# KiCad board 32X_VA2.kicad_pcb
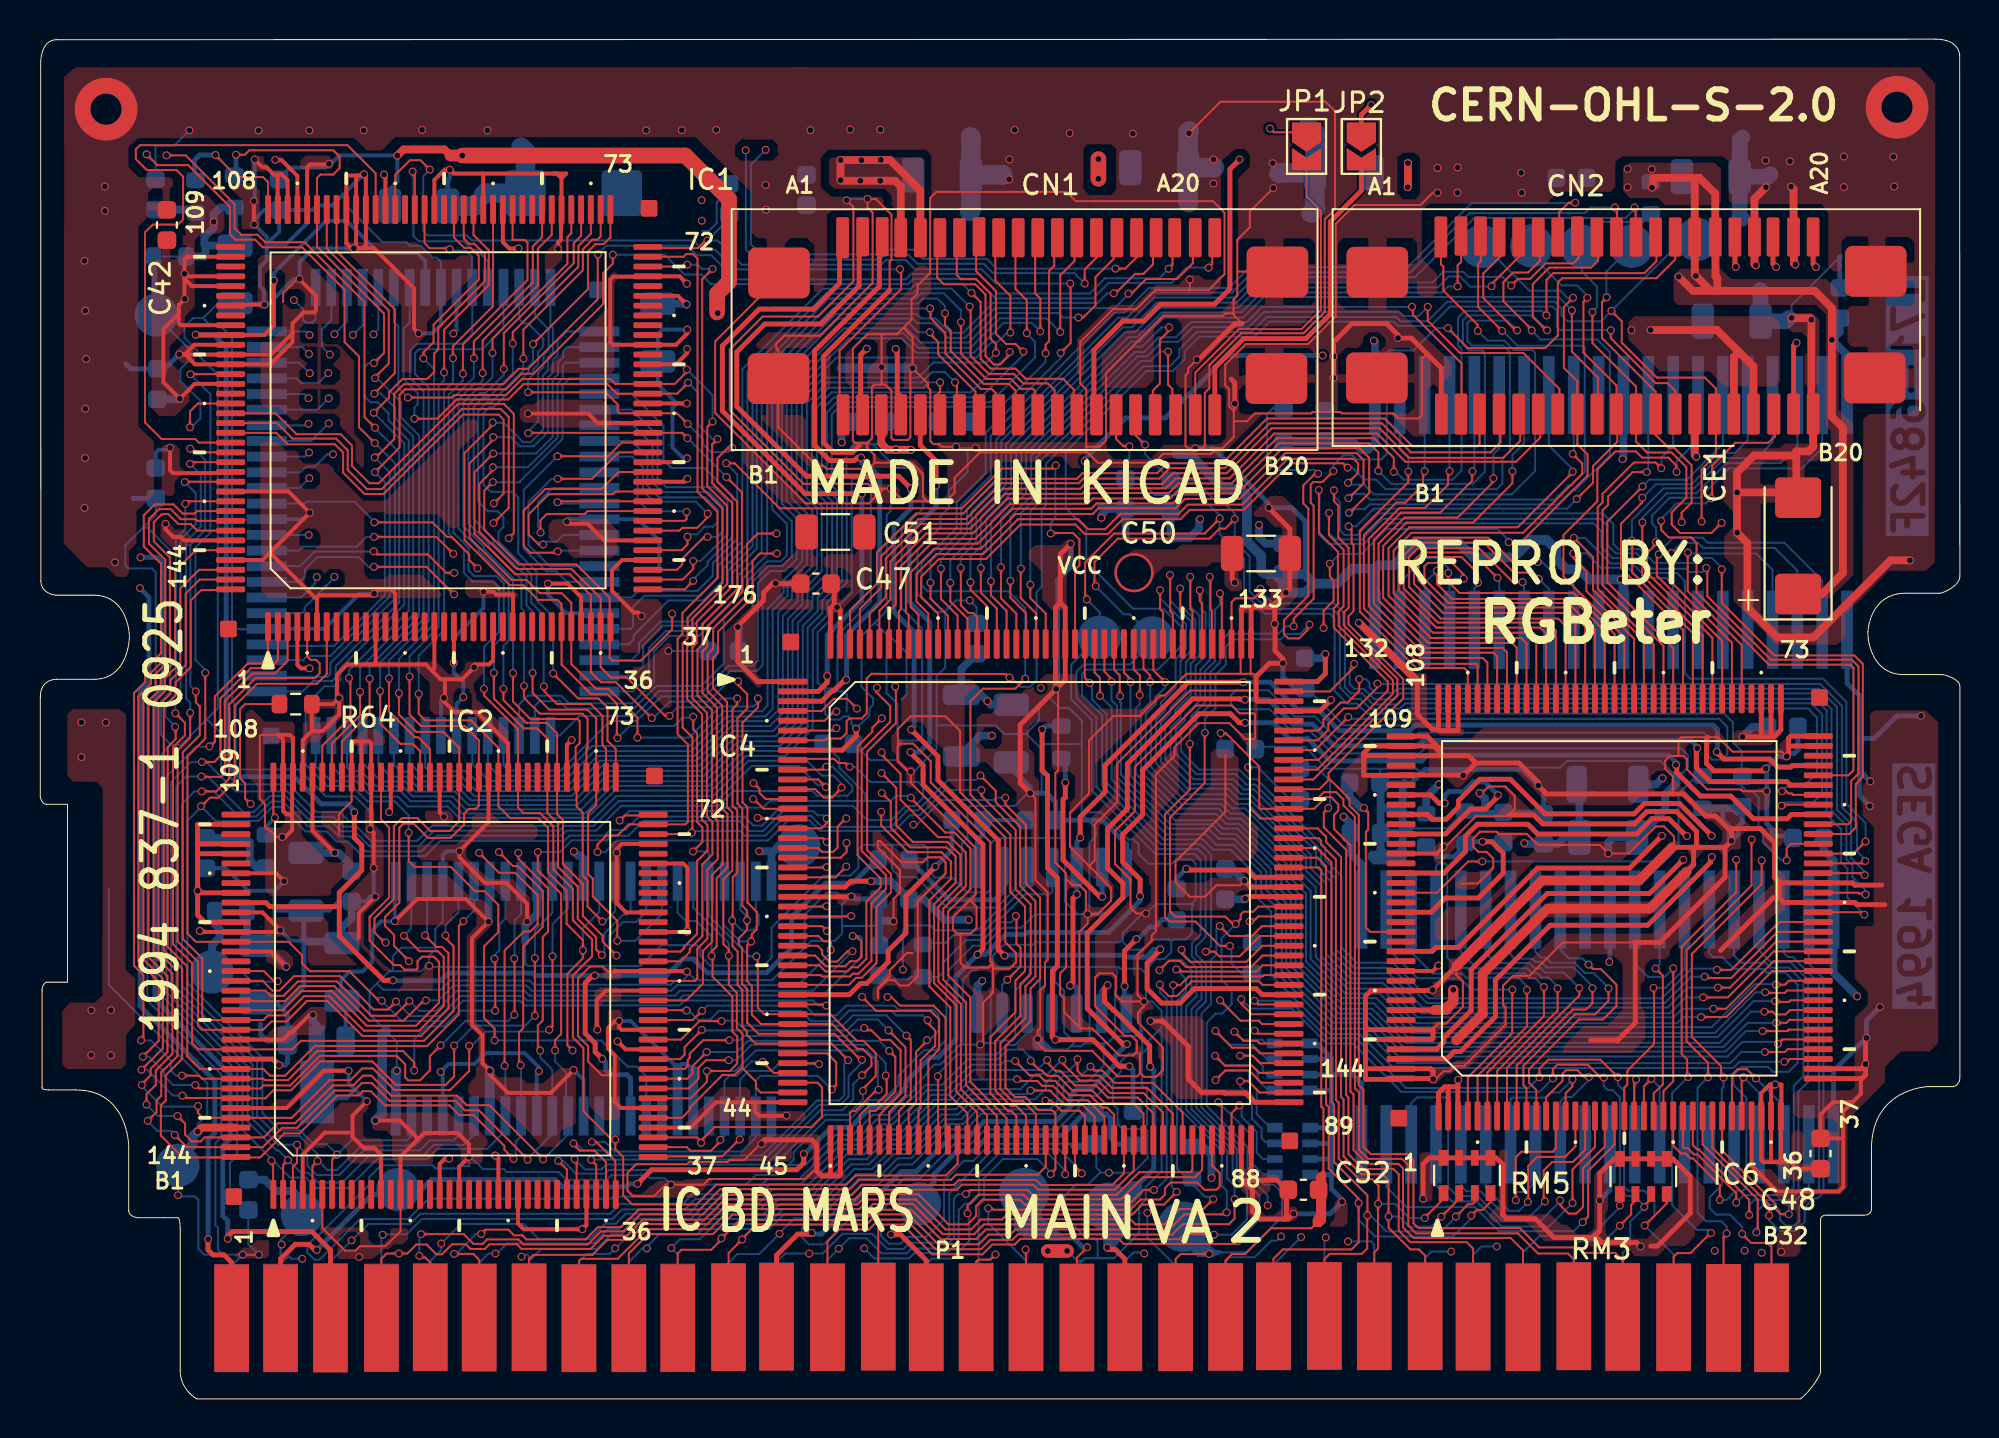
[diagram p0: board, top side]
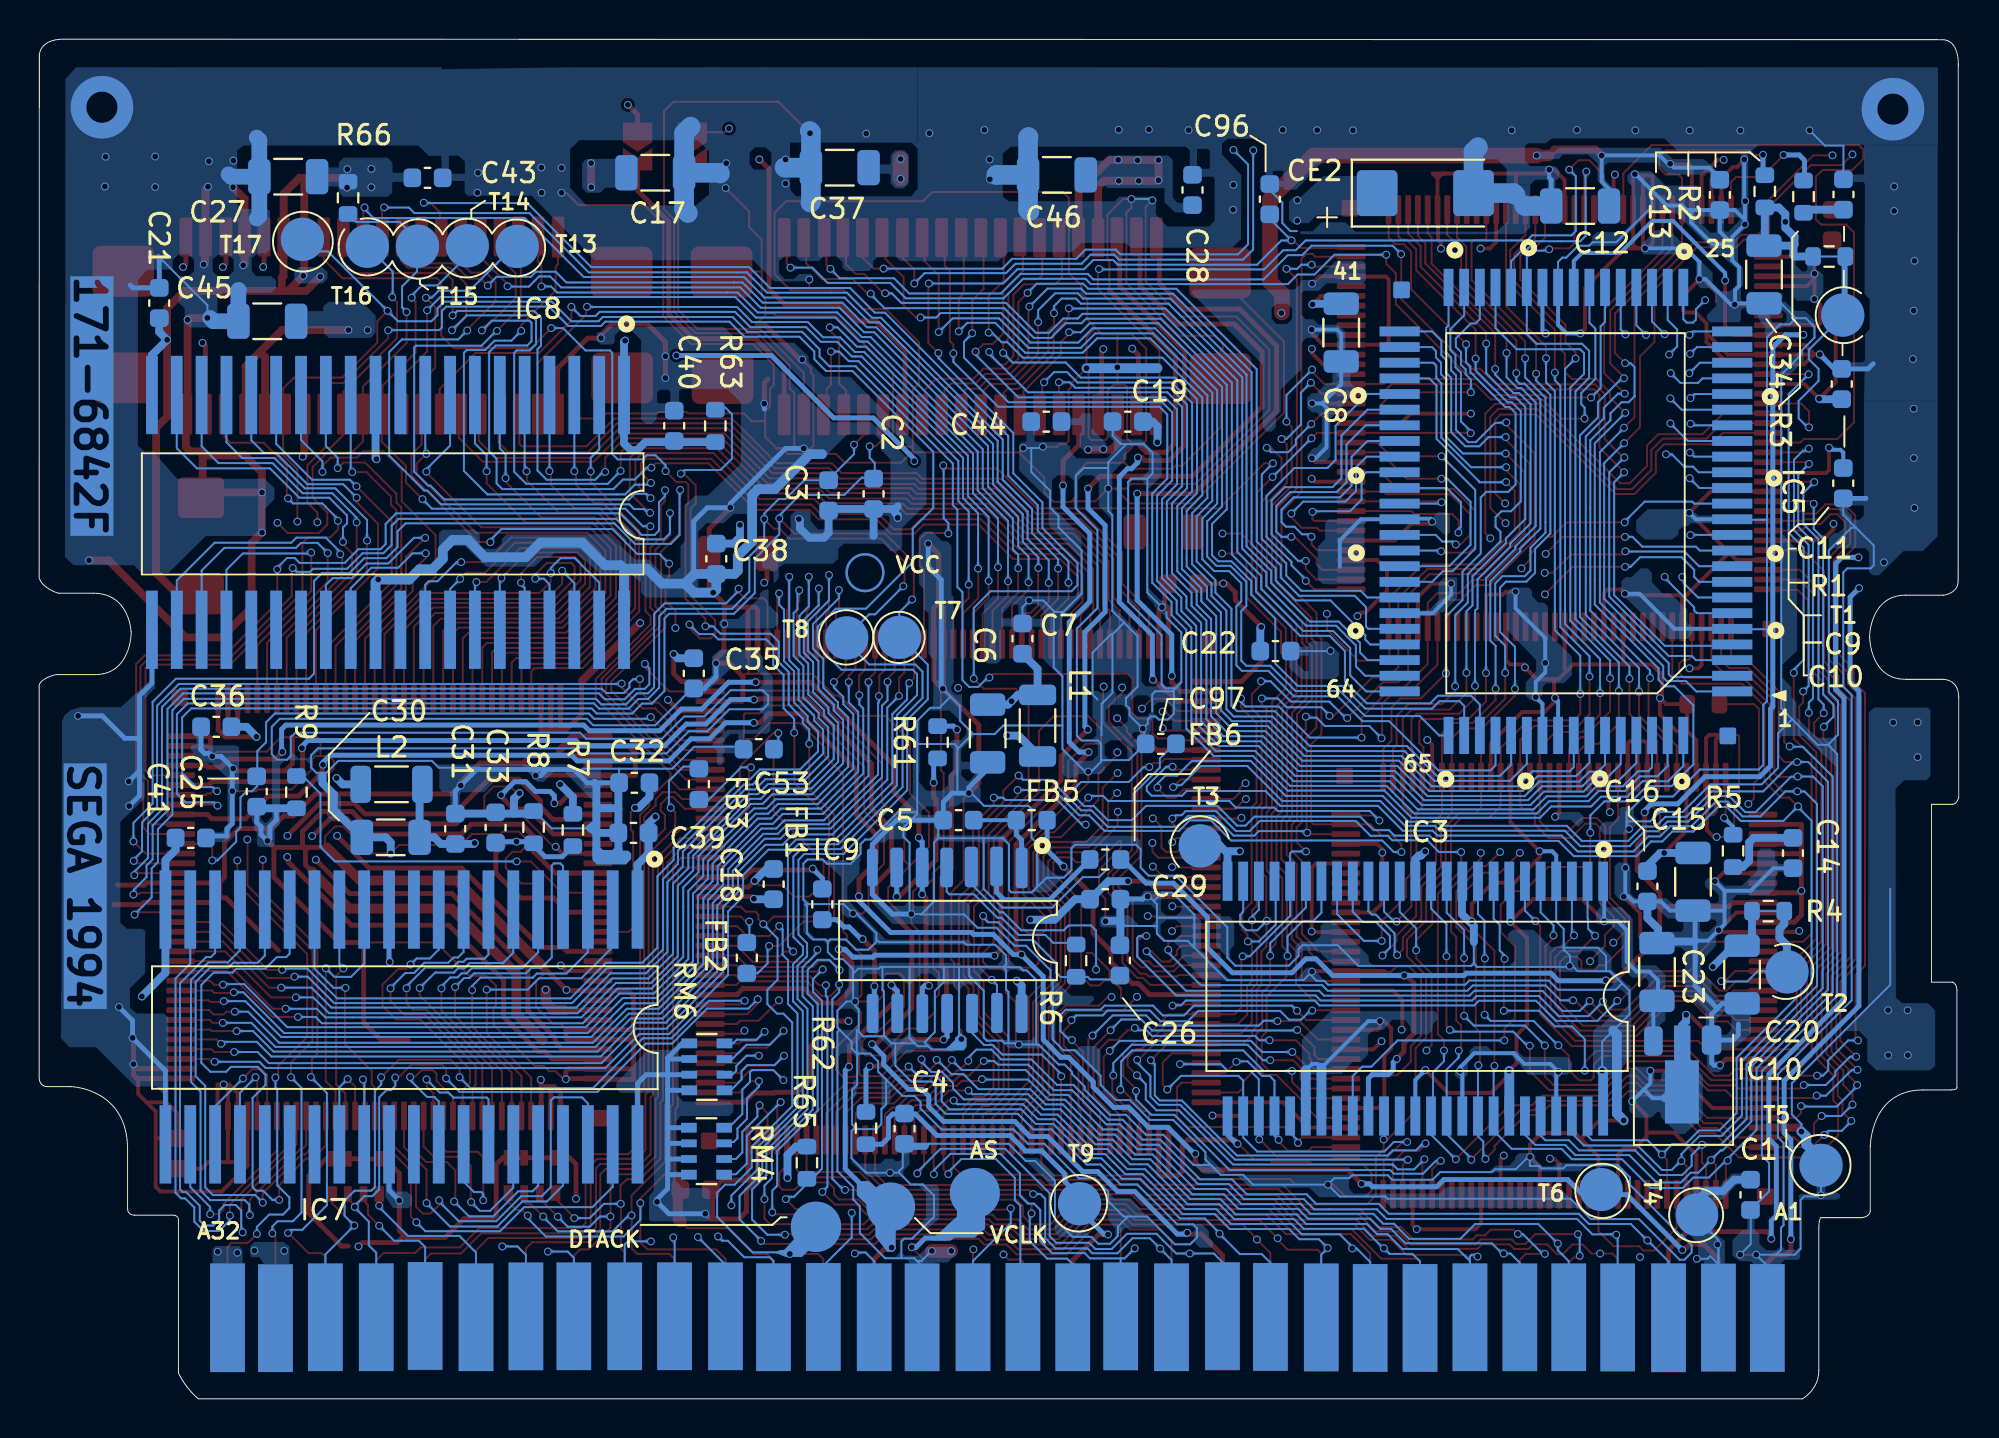
[diagram p1: board, bottom side, seen from below]

Outline 98.17 x 69.5 mm; copper layers: Top, In1.Cu, In2.Cu, Bottom. Coordinates in mm from the lower left corner of the outline.
Outline path: 0.06,30.74 0.06,35.87 ; 0.08,68.14 0.09,41.8 ; 0.15,20.88 0.15,15.9 ; 0.46,15.79 1.88,15.79 ; 0.83,41.08 2.77,41.08 ; 0.9,36.78 2.79,36.78 ; 0.39,30.39 1.45,30.39 1.45,21.3 0.37,21.3 ; 4.58,9.63 4.58,12.88 ; 5.05,9.26 7.09,9.26 ; 7.21,8.69 7.21,1.44 ; 8.05,0 90.03,0 ; 91.05,1.33 91.05,9.15 ; 91.32,9.39 93.29,9.39 ; 93.65,9.68 93.65,12.72 ; 95.31,37.02 97.26,37.02 ; 96.9,69.5 0.9,69.47 ; 97.13,41.18 95.41,41.18 ; 97.78,15.96 96.55,15.96 ; 98.17,42.05 98.16,68.69 ; 98.17,16.45 98.17,36.43
Stack: Top 0.035mm / dielectric 0.1mm FR4 er 4.5 / In1.Cu 0.035mm / dielectric 1.24mm FR4 er 4.5 / In2.Cu 0.035mm / dielectric 0.1mm FR4 er 4.5 / Bottom 0.035mm

## Placement (name value [footprint] x y rotation side)
C1  0.1uF  [C_0603_1608Metric]  10.7 10.43 270 bottom
C2  68pF  [C_0603_1608Metric]  55.52 46.26 270 bottom
C3  68pF  [C_0603_1608Metric]  57.82 46.18 270 bottom  (not fitted)
C4  68pF  [C_0603_1608Metric]  53.94 13.81 270 bottom  (not fitted)
C5  47pF  [C_0603_1608Metric]  51.18 29.58 0 bottom  (not fitted)
C6  4.7uF  [C_1206_3216Metric]  49.69 34.01 270 bottom
C7  100nF  [C_0603_1608Metric]  47.91 38.86 90 bottom
C8  4.7uF  [C_1206_3216Metric]  31.62 54.5 270 bottom
C9  100nF  [C_0603_1608Metric]  6.04 51.87 90 bottom
C10  100nF  [C_0603_1608Metric]  5.96 46.8 270 bottom
C11  470pF  [C_0603_1608Metric]  5.95 61.56 90 bottom
C12  4.7uF  [C_1206_3216Metric]  19.41 60.97 0 bottom
C13  100nF  [C_0603_1608Metric]  12.27 61.54 270 bottom
C14  470pF  [C_0603_1608Metric]  8.53 27.9 270 bottom
C15  4.7uF  [C_1206_3216Metric]  13.64 26.43 270 bottom
C16  100nF  [C_0603_1608Metric]  15.97 26.2 270 bottom
C17  4.7uF  [C_1206_3216Metric]  66.68 62.67 180 bottom
C18  100nF  [C_0603_1608Metric]  60.63 26.31 90 bottom
C19  100nF  [C_0603_1608Metric]  42.53 49.95 0 bottom
C20  4.7uF  [C_1206_3216Metric]  11.13 21.69 270 bottom
C21  100nF  [C_0603_1608Metric]  92.03 56.01 90 bottom
C22  100nF  [C_0603_1608Metric]  34.98 38.22 180 bottom
C23  4.7uF  [C_1206_3216Metric]  15.48 21.82 90 bottom
C25  68pF  [C_0603_1608Metric]  87.05 31.05 270 bottom
C26  100pF  [C_0603_1608Metric]  42.93 22.41 90 bottom
C27  4.7uF  [C_1206_3216Metric]  85.44 62.47 0 bottom
C28  100nF  [C_0603_1608Metric]  39.22 61.79 90 bottom
C29  0.1uF  [C_0603_1608Metric]  43.68 25.54 180 bottom
C30  4.7uF  [C_1206_3216Metric]  80.2 28.7 0 bottom
C31  100nF  [C_0603_1608Metric]  76.9 29.14 90 bottom
C32  100nF  [C_0603_1608Metric]  67.75 31.49 0 bottom
C33  100nF  [C_0603_1608Metric]  74.84 29.2 90 bottom
C34  4.7uF  [C_1206_3216Metric]  10.01 57.47 270 bottom
C35  100nF  [C_0603_1608Metric]  64.71 37.08 270 bottom
C36  100nF  [C_0603_1608Metric]  89.12 34.35 0 bottom
C37  4.7uF  [C_1206_3216Metric]  57.25 62.93 0 bottom
C38  100nF  [C_0603_1608Metric]  63.56 42.94 270 bottom
C39  100nF  [C_0603_1608Metric]  67.79 28.93 0 bottom
C40  100nF  [C_0603_1608Metric]  65.71 49.73 90 bottom
C41  100nF  [C_0603_1608Metric]  90.42 28.67 180 bottom
C42  100nF  [C_0603_1608Metric]  6.53 60 90 top
C43  100nF  [C_0603_1608Metric]  78.32 62.41 180 bottom
C44  0.1uF  [C_0603_1608Metric]  46.69 49.95 0 bottom
C45  4.7uF  [C_1206_3216Metric]  86.51 55.08 0 bottom
C46  4.7uF  [C_1206_3216Metric]  46.15 62.56 0 bottom
C47  100nF  [C_0603_1608Metric]  39.7 41.67 0 top
C48  100nF  [C_0603_1608Metric]  91.05 12.54 90 top
C50  4.7uF  [C_1206_3216Metric]  62.45 43.21 0 top
C51  4.7uF  [C_1206_3216Metric]  40.7 44.31 0 top
C52  68pF  [C_0603_1608Metric]  64.62 10.69 180 top  (not fitted)
C53  100pF  [C_0603_1608Metric]  61.39 33.21 0 bottom
C96  100pF  [C_0603_1608Metric]  35.27 61.32 90 bottom
C97  100pF  [C_0603_1608Metric]  40.84 33.48 0 bottom
CE1  47uF  [CP_EIA-6032-28_Kemet-C]  89.9 43.6 90 top
CE2  47uF  [CP_EIA-6032-28_Kemet-C]  27.32 61.63 180 bottom
CN1  ~  [32XCN]  50.59 55.3 0 top
CN2  ~  [32XCN]  81.17 55.34 0 top
FB1  120 Ohm  [L_0603_1608Metric]  58.14 25.28 90 bottom
FB2  0  [L_0603_1608Metric]  62 22.54 90 bottom
FB3  240 Ohm  [L_0603_1608Metric]  64.45 31.42 270 bottom
FB5  0  [L_0603_1608Metric]  47.44 29.58 0 bottom
FB6  120 Ohm  [L_0603_1608Metric]  43.68 27.57 180 bottom
IC1  SH2 M  [LQFP-144_20x20mm_P0.5mm]  20.45 50.13 90 top
IC2  SH2 S  [LQFP-144_20x20mm_P0.5mm]  20.72 21.12 90 top
IC3  µPD4502161  [SSOP-50]  27.83 20.46 0 bottom
IC4  315-5818  [LQFP-176_24x24mm_P0.5mm]  51.2 25.91 0 top
IC5  315-5805  [PQFP-80_14x20mm_P0.8mm]  20.14 45.36 0 bottom
IC6  315-5781  [LQFP-144_20x20mm_P0.5mm]  80.27 25.12 90 top
IC7  TC511664  [SO-Mix-40]  79.65 19.01 0 bottom
IC8  TC511664  [SO-Mix-40]  80.34 45.31 0 bottom
IC9  74AC04  [SO-14_Dual_Purpose_P1.27mm]  51.97 23.13 0 bottom
IC10  RHSRL33A  [SOT-89-3_Handsoldering]  14.29 15.64 180 bottom
JP1  AS  [SolderJumper-2_P1.3mm_Open_TrianglePad1.0x1.5mm]  64.78 64.02 270 top
JP2  VCLK  [SolderJumper-2_P1.3mm_Open_TrianglePad1.0x1.5mm]  67.58 64.02 270 top
L1  100u  [L_1206_3216Metric]  47.14 34.41 90 bottom
L2  100u  [L_1206_3216Metric]  80.16 31.41 180 bottom
P1  Expansion  [Edge-60P]  47.94 3.57 180 top
R1  10k  [R_0603_1608Metric]  6.68 58.39 180 bottom  (not fitted)
R2  10K  [R_0603_1608Metric]  9.97 61.72 270 bottom
R3  3K  [R_0603_1608Metric]  7.99 61.45 270 bottom
R4  10k  [R_0603_1608Metric]  9.8 24.93 180 bottom  (not fitted)
R5  3K  [R_0603_1608Metric]  11.59 28.01 270 bottom
R6  180  [R_0603_1608Metric]  45.17 22.4 270 bottom
R7  13K  [R_0603_1608Metric]  70.89 29.08 90 bottom
R8  2.7K  [R_0603_1608Metric]  72.9 29.22 270 bottom
R9  1.6K  [R_0603_1608Metric]  85.02 31.01 90 bottom
R61  8.2K  [R_0603_1608Metric]  52.25 33.56 270 bottom
R62  2K  [R_0603_1608Metric]  55.91 13.84 90 bottom
R63  10k  [R_0603_1608Metric]  63.61 49.73 270 bottom  (not fitted)
R64  10k  [R_0603_1608Metric]  13.11 35.51 180 top  (not fitted)
R65  10k  [R_0603_1608Metric]  58.93 12.07 270 bottom  (not fitted)
R66  4.7K  [R_0603_1608Metric]  82.38 61.39 90 bottom
RM3  4x10K  [R_Array_Convex_4x0603]  81.99 11.37 90 top
RM4  4x10K  [R_Array_Convex_4x0603]  64.06 12.66 0 bottom
RM5  4x10K  [R_Array_Convex_4x0603]  72.98 11.42 90 top
RM6  4x10K  [R_Array_Convex_4x0603]  64.04 16.97 0 bottom

## Library data of the parts
C1 C6 C8 C12 C15 C17 C20 C23 C27 C29 C30 C34 C37 C44-C46 C50 C51 = -: LCSC Part #: C132170; MPN: VJ1206V475MXJTW1BC; ki_fp_filters: C_*
C2-C5 C26 C52 C53 = -: LCSC Part #: C62768; MPN: VJ0805A101FXJPW1BC; ki_fp_filters: C_*
C7 C9 C10 C13 C16 C18 C19 C21 C22 C28 C31-C33 C35 C36 C38-C43 C47 C48 C96 C97 = -: LCSC Part #: C111492; MPN: VJ0805Y104JXJMT; ki_fp_filters: C_*
C11 C14 = -: LCSC Part #: C62771; MPN: VJ0805A471FXJPW1BC; ki_fp_filters: C_*
C25 = -: LCSC Part #: C162306; MPN: GRM21A5C2J680JWA1D; ki_fp_filters: C_*
CE1 CE2 = -: ki_fp_filters: CP_*
FB1 FB6 = -: LCSC Part #: C41330; MPN: CBG201209U121T; ki_fp_filters: Inductor_* L_* *Ferrite*
FB2 FB5 = -: LCSC Part #: C91037; MPN: CBG201209U000T; ki_fp_filters: Inductor_* L_* *Ferrite*
FB3 = -: LCSC Part #: C124102; MPN: CBG201209U221T; ki_fp_filters: Inductor_* L_* *Ferrite*
IC9 = -: Datasheet: http://www.ti.com/lit/gpn/sn74LS04; LCSC Part #: C352940; MPN: SN74AC04DR; ki_fp_filters: DIP*W7.62mm* SSOP?14* TSSOP?14*
IC10 = -: Datasheet: http://www.st.com/content/ccc/resource/technical/document/datasheet/41/4f/b3/b0/12/d4/47/88/CD00000444.pdf/files/CD00000444.pdf/jcr:content/translations/en.CD00000444.pdf; ki_fp_filters: TO?252* TO?263* TO?220*
JP1 JP2 = -: Description: Solder Jumper, 2-pole, open; ki_fp_filters: SolderJumper*Open*
L1 L2 = -: LCSC Part #: C27775; MPN: CMI322513J101KT; ki_fp_filters: Choke_* *Coil* Inductor_* L_*
P1 = -: ki_fp_filters: Connector*:*_2x??_*
R1 R4 R62-R65 = -: LCSC Part #: C2077049; MPN: CRCW08052K00JNEA; ki_fp_filters: R_*
R2 = -: LCSC Part #: C844937; MPN: CRCW080510K0FKEA; ki_fp_filters: R_*
R3 R5 = -: LCSC Part #: C114222; MPN: CRCW08053K00FKEA; ki_fp_filters: R_*
R6 = -: LCSC Part #: C137585; MPN: CRCW0805180RJNEA; ki_fp_filters: R_*
R7 = -: LCSC Part #: C844395; MPN: CRCW080513K0FKEA; ki_fp_filters: R_*
R8 = -: LCSC Part #: C844836; MPN: CRCW08052K70FKEA; ki_fp_filters: R_*
R9 = -: LCSC Part #: C185279; MPN: CRCW08051K60FKEA; ki_fp_filters: R_*
R61 = -: LCSC Part #: C844640; MPN: CRCW08058K20FKEA; ki_fp_filters: R_*
R66 = -: LCSC Part #: C2077067; MPN: CRCW08054K70JNEAC; ki_fp_filters: R_*
RM3-RM6 = -: LCSC Part #: C110924; MPN: YC164-FR-0710KL; ki_fp_filters: DIP* SOIC* R*Array*Concave* R*Array*Convex*

## Footprints (pads in the part's own frame, mm; a bottom-side part is the same pattern mirrored in y, then rotated)
32XCN
  rrect 0.65x2.1 smd: A1(-9.525,4.05) B1(-9.5,-5) B2(-8.5,-5) B3(-7.55,-5) B4(-6.55,-5) B5(-5.55,-5) B6(-4.55,-5) B7(-3.55,-5) B8(-2.55,-5) B9(-1.55,-5) B10(-0.55,-5) B11(0.45,-5) B12(1.45,-5) B13(2.45,-5) B14(3.45,-5) B15(4.45,-5) B16(5.45,-5) B17(6.45,-5) B18(7.5,-5) B19(8.5,-5) B20(9.5,-5)
  rrect 0.65x2 smd: A2(-8.5,4.1) A3(-7.5,4.1) A4(-6.55,4.05) A5(-5.55,4.05) A6(-4.55,4.05) A7(-3.55,4.05) A8(-2.55,4.1) A9(-1.55,4.05) A10(-0.55,4.05) A11(0.45,4.05) A12(1.45,4.05) A13(2.45,4.05) A14(3.45,4.05) A15(4.5,4.05) A16(5.5,4.05) A17(6.5,4.05) A18(7.45,4.05) A19(8.5,4.05) A20(9.5,4.05)
  rrect 3.15x2.6 smd: GND(-12.8,-3.15) GND(-12.775,2.25) GND(12.65,-3.15) GND(12.7,2.3)
C_0603_1608Metric
  rrect 0.9x0.95 smd: 1(-0.775,0) 2(0.775,0)
C_1206_3216Metric
  rrect 1.15x1.8 smd: 1(-1.475,0) 2(1.475,0)
CP_EIA-6032-28_Kemet-C
  rrect 2.075x2.35 smd: 1(-2.462,0) 2(2.462,0)
Edge-60P
  rect 1.77x5.5 smd far side: a1(38.1,-0.57) a2(35.6,-0.59) a4(30.45,-0.6) a5(27.95,-0.6) a6(25.45,-0.6) a7(22.9,-0.6) a8(20.35,-0.57) a9(17.8,-0.57) a10(15.3,-0.6) a11(12.7,-0.62) a12(10.25,-0.66) a13(7.65,-0.6) a14(5.05,-0.65) a15(2.6,-0.6) a16(0.05,-0.62) a17(-2.5,-0.6) a18(-5.1,-0.6) a19(-7.55,-0.6) a20(-10.15,-0.62) a21(-12.7,-0.6) a22(-15.15,-0.65) a23(-17.75,-0.65) a24(-20.3,-0.65) a25(-22.9,-0.65) a26(-25.35,-0.65) a27(-27.9,-0.6) a28(-30.5,-0.67) a29(-33,-0.6) a30(-35.6,-0.6) a31(-38.15,-0.55)
  rect 1.77x5.55 smd far side: a3(33.05,-0.575) a32(-40.6,-0.575)
  rect 1.77x5.5 smd: b1(38.1,-0.55) b2(35.6,-0.55) b4(30.45,-0.56) b5(27.95,-0.6) b6(25.45,-0.58) b7(22.9,-0.6) b8(20.35,-0.55) b9(17.8,-0.55) b10(15.3,-0.56) b11(12.7,-0.6) b12(10.25,-0.62) b13(7.65,-0.6) b14(5.05,-0.63) b15(2.6,-0.6) b16(0.05,-0.6) b17(-2.5,-0.6) b18(-5.1,-0.58) b19(-7.55,-0.6) b20(-10.15,-0.6) b21(-12.7,-0.62) b22(-15.15,-0.65) b23(-17.75,-0.67) b24(-20.3,-0.65) b25(-22.9,-0.65) b26(-25.35,-0.63) b27(-27.9,-0.6) b28(-30.5,-0.65) b29(-33,-0.62) b30(-35.6,-0.6) b31(-38.15,-0.57)
  rect 1.77x5.57 smd: b3(33.05,-0.565)
  rect 1.77x5.55 smd: b32(-40.6,-0.575)
L_0603_1608Metric
  rrect 0.875x0.95 smd: 1(-0.787,0) 2(0.787,0)
L_1206_3216Metric
  rrect 1.05x1.9 smd: 1(-1.575,0) 2(1.575,0)
LQFP-144_20x20mm_P0.5mm
  rrect 1.475x0.3 smd: 1(-10.662,8.75) 2(-10.662,8.25) 3(-10.662,7.75) 4(-10.662,7.25) 5(-10.662,6.75) 6(-10.662,6.25) 7(-10.662,5.75) 8(-10.662,5.25) 9(-10.662,4.75) 10(-10.662,4.25) 11(-10.662,3.75) 12(-10.662,3.25) 13(-10.662,2.75) 14(-10.662,2.25) 15(-10.662,1.75) 16(-10.662,1.25) 17(-10.662,0.75) 18(-10.662,0.25) 19(-10.662,-0.25) 20(-10.662,-0.75) 21(-10.662,-1.25) 22(-10.662,-1.75) 23(-10.662,-2.25) 24(-10.662,-2.75) 25(-10.662,-3.25) 26(-10.662,-3.75) 27(-10.662,-4.25) 28(-10.662,-4.75) 29(-10.662,-5.25) 30(-10.662,-5.75) 31(-10.662,-6.25) 32(-10.662,-6.75) 33(-10.662,-7.25) 34(-10.662,-7.75) 35(-10.662,-8.25) 73(10.662,-8.75) 74(10.662,-8.25) 75(10.662,-7.75) 76(10.662,-7.25) 77(10.662,-6.75) 78(10.662,-6.25) 79(10.662,-5.75) 80(10.662,-5.25) 81(10.662,-4.75) 82(10.662,-4.25) 83(10.662,-3.75) 84(10.662,-3.25) 85(10.662,-2.75) 86(10.662,-2.25) 87(10.662,-1.75) 88(10.662,-1.25) 89(10.662,-0.75) 90(10.662,-0.25) 91(10.662,0.25) 92(10.662,0.75) 93(10.662,1.25) 94(10.662,1.75) 95(10.662,2.25) 96(10.662,2.75) 97(10.662,3.25) 98(10.662,3.75) 99(10.662,4.25) 100(10.662,4.75) 101(10.662,5.25) 102(10.662,5.75) 103(10.662,6.25) 104(10.662,6.75) 105(10.662,7.25) 106(10.662,7.75) 107(10.662,8.25)
  rrect 1.45x0.3 smd: 36(-10.675,-8.75)
  rrect 0.3x1.475 smd: 37(-8.75,-10.662) 38(-8.25,-10.662) 39(-7.75,-10.662) 40(-7.25,-10.662) 41(-6.75,-10.662) 42(-6.25,-10.662) 43(-5.75,-10.662) 44(-5.25,-10.662) 45(-4.75,-10.662) 46(-4.25,-10.662) 47(-3.75,-10.662) 48(-3.25,-10.662) 49(-2.75,-10.662) 50(-2.25,-10.662) 51(-1.75,-10.662) 52(-1.25,-10.662) 53(-0.75,-10.662) 54(-0.25,-10.662) 55(0.25,-10.662) 56(0.75,-10.662) 57(1.25,-10.662) 58(1.75,-10.662) 59(2.25,-10.662) 60(2.75,-10.662) 61(3.25,-10.662) 62(3.75,-10.662) 63(4.25,-10.662) 64(4.75,-10.662) 65(5.25,-10.662) 66(5.75,-10.662) 67(6.25,-10.662) 68(6.75,-10.662) 69(7.25,-10.662) 70(7.75,-10.662) 71(8.25,-10.662) 72(8.75,-10.662) 109(8.75,10.662) 110(8.25,10.662) 111(7.75,10.662) 112(7.25,10.662) 113(6.75,10.662) 114(6.25,10.662) 115(5.75,10.662) 116(5.25,10.662) 117(4.75,10.662) 118(4.25,10.662) 119(3.75,10.662) 120(3.25,10.662) 121(2.75,10.662) 122(2.25,10.662) 123(1.75,10.662) 124(1.25,10.662) 125(0.75,10.662) 126(0.25,10.662) 127(-0.25,10.662) 128(-0.75,10.662) 129(-1.25,10.662) 130(-1.75,10.662) 131(-2.25,10.662) 132(-2.75,10.662) 133(-3.25,10.662) 134(-3.75,10.662) 135(-4.25,10.662) 136(-4.75,10.662) 137(-5.25,10.662) 138(-5.75,10.662) 139(-6.25,10.662) 140(-6.75,10.662) 141(-7.25,10.662) 142(-7.75,10.662) 143(-8.25,10.662) 144(-8.75,10.662)
  rrect 1.5x0.3 smd: 108(10.65,8.75)
LQFP-176_24x24mm_P0.5mm
  rrect 1.5x0.3 smd: 1(-12.675,10.75) 2(-12.675,10.25) 3(-12.675,9.75) 4(-12.675,9.25) 5(-12.675,8.75) 6(-12.675,8.25) 7(-12.675,7.75) 8(-12.675,7.25) 9(-12.675,6.75) 10(-12.675,6.25) 11(-12.675,5.75) 12(-12.675,5.25) 13(-12.675,4.75) 14(-12.675,4.25) 15(-12.675,3.75) 16(-12.675,3.25) 17(-12.675,2.75) 18(-12.675,2.25) 19(-12.675,1.75) 20(-12.675,1.25) 21(-12.675,0.75) 22(-12.675,0.25) 23(-12.675,-0.25) 24(-12.675,-0.75) 25(-12.675,-1.25) 26(-12.675,-1.75) 27(-12.675,-2.25) 28(-12.675,-2.75) 29(-12.675,-3.25) 30(-12.675,-3.75) 31(-12.675,-4.25) 32(-12.675,-4.75) 33(-12.675,-5.25) 34(-12.675,-5.75) 35(-12.675,-6.25) 36(-12.675,-6.75) 37(-12.675,-7.25) 38(-12.675,-7.75) 39(-12.675,-8.25) 40(-12.675,-8.75) 41(-12.675,-9.25) 42(-12.675,-9.75) 43(-12.675,-10.25) 44(-12.675,-10.75) 89(12.675,-10.75) 90(12.675,-10.25) 91(12.675,-9.75) 92(12.675,-9.25) 93(12.675,-8.75) 94(12.675,-8.25) 95(12.675,-7.75) 96(12.675,-7.25) 97(12.675,-6.75) 98(12.675,-6.25) 99(12.675,-5.75) 100(12.675,-5.25) 101(12.675,-4.75) 102(12.675,-4.25) 103(12.675,-3.75) 104(12.675,-3.25) 105(12.675,-2.75) 106(12.675,-2.25) 107(12.675,-1.75) 108(12.675,-1.25) 109(12.675,-0.75) 110(12.675,-0.25) 111(12.675,0.25) 112(12.675,0.75) 113(12.675,1.25) 114(12.675,1.75) 115(12.675,2.25) 116(12.675,2.75) 117(12.675,3.25) 118(12.675,3.75) 119(12.675,4.25) 120(12.675,4.75) 121(12.675,5.25) 122(12.675,5.75) 123(12.675,6.25) 124(12.675,6.75) 125(12.675,7.25) 126(12.675,7.75) 127(12.675,8.25) 128(12.675,8.75) 129(12.675,9.25) 130(12.675,9.75) 131(12.675,10.25) 132(12.675,10.75)
  rrect 0.3x1.5 smd: 45(-10.75,-12.675) 46(-10.25,-12.675) 47(-9.75,-12.675) 48(-9.25,-12.675) 49(-8.75,-12.675) 50(-8.25,-12.675) 51(-7.75,-12.675) 52(-7.25,-12.675) 53(-6.75,-12.675) 54(-6.25,-12.675) 55(-5.75,-12.675) 56(-5.25,-12.675) 57(-4.75,-12.675) 58(-4.25,-12.675) 59(-3.75,-12.675) 60(-3.25,-12.675) 61(-2.75,-12.675) 62(-2.25,-12.675) 63(-1.75,-12.675) 64(-1.25,-12.675) 65(-0.75,-12.675) 66(-0.25,-12.675) 67(0.25,-12.675) 68(0.75,-12.675) 69(1.25,-12.675) 70(1.75,-12.675) 71(2.25,-12.675) 72(2.75,-12.675) 73(3.25,-12.675) 74(3.75,-12.675) 75(4.25,-12.675) 76(4.75,-12.675) 77(5.25,-12.675) 78(5.75,-12.675) 79(6.25,-12.675) 80(6.75,-12.675) 81(7.25,-12.675) 82(7.75,-12.675) 83(8.25,-12.675) 84(8.75,-12.675) 85(9.25,-12.675) 86(9.75,-12.675) 87(10.25,-12.675) 88(10.75,-12.675) 133(10.75,12.675) 134(10.25,12.675) 135(9.75,12.675) 136(9.25,12.675) 137(8.75,12.675) 138(8.25,12.675) 139(7.75,12.675) 140(7.25,12.675) 141(6.75,12.675) 142(6.25,12.675) 143(5.75,12.675) 144(5.25,12.675) 145(4.75,12.675) 146(4.25,12.675) 147(3.75,12.675) 148(3.25,12.675) 149(2.75,12.675) 150(2.25,12.675) 151(1.75,12.675) 152(1.25,12.675) 153(0.75,12.675) 154(0.25,12.675) 155(-0.25,12.675) 156(-0.75,12.675) 157(-1.25,12.675) 158(-1.75,12.675) 159(-2.25,12.675) 160(-2.75,12.675) 161(-3.25,12.675) 162(-3.75,12.675) 163(-4.25,12.675) 164(-4.75,12.675) 165(-5.25,12.675) 166(-5.75,12.675) 167(-6.25,12.675) 168(-6.75,12.675) 169(-7.25,12.675) 170(-7.75,12.675) 171(-8.25,12.675) 172(-8.75,12.675) 173(-9.25,12.675) 174(-9.75,12.675) 175(-10.25,12.675) 176(-10.75,12.675)